# KiCad board panel-74pad-70pin-mezzanine.kicad_pcb (continued)
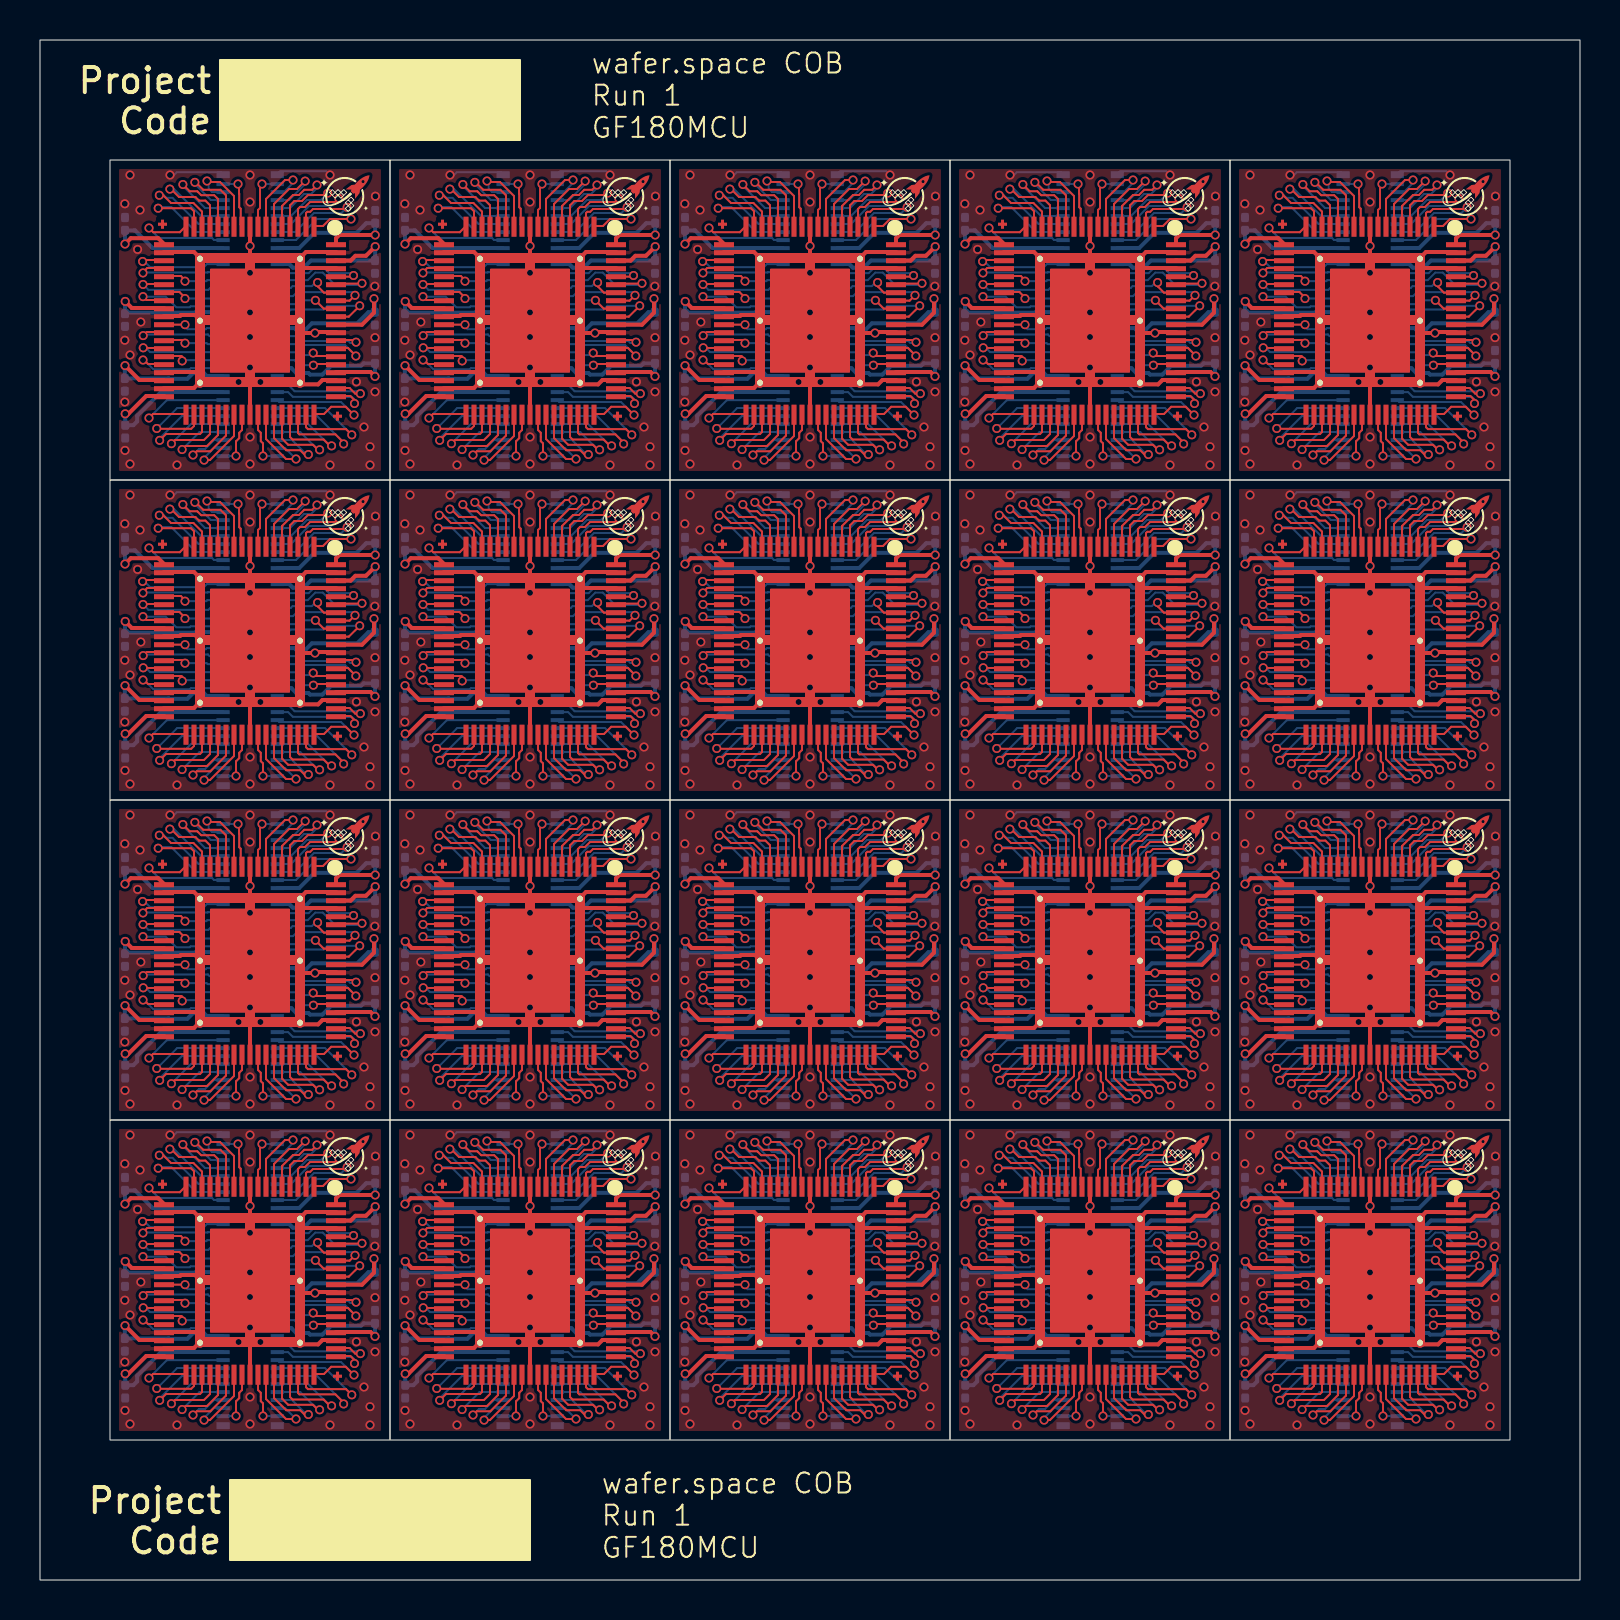
[diagram p0: board, top side]
## Routing (per net, layer and track width the routed paths; a pad name or vN(x,y) marks a point on that pad's centre or on a via; arc(x,y) is an arc through that point) (continued)
  Bottom w0.1: v1(70.39,37.34) 70.05,37 69.35,37 68.55,36.2 67.86,36.2 ; 25.85,68.2 26.55,68.2 27.35,69 28.05,69 v1(28.39,69.34) ; v1(14.39,37.34) 14.05,37 13.35,37 12.55,36.2 11.85,36.2 ; v1(56.39,69.34) 56.05,69 55.35,69 54.55,68.2 53.85,68.2 ; 39.85,68.2 40.55,68.2 41.35,69 42.05,69 v1(42.39,69.34) ; 53.85,36.2 54.55,36.2 55.35,37 56.05,37 v1(56.39,37.34) ; 53.85,52.2 54.55,52.2 55.35,53 56.05,53 v1(56.39,53.34) ; v1(14.39,53.34) 14.05,53 13.35,53 12.55,52.2 11.85,52.2 ; 25.85,36.2 26.55,36.2 27.35,37 28.05,37 v1(28.39,37.34) ; v1(42.39,21.34) 42.05,21 41.35,21 40.55,20.2 39.85,20.2 ; 39.85,36.2 40.55,36.2 41.35,37 42.05,37 v1(42.39,37.34) ; 67.86,20.2 68.55,20.2 69.35,21 70.05,21 v1(70.39,21.34) ; 67.86,52.2 68.55,52.2 69.35,53 70.05,53 v1(70.39,53.34) ; v1(42.39,53.34) 42.05,53 41.35,53 40.55,52.2 39.85,52.2 ; 67.86,68.2 68.55,68.2 69.35,69 70.05,69 v1(70.39,69.34) ; 25.85,20.2 26.55,20.2 27.35,21 28.05,21 v1(28.39,21.34) ; 25.85,52.2 26.55,52.2 27.35,53 28.05,53 v1(28.39,53.34) ; 11.85,68.2 12.55,68.2 13.35,69 14.05,69 v1(14.39,69.34) ; v1(56.39,21.34) 56.05,21 55.35,21 54.55,20.2 53.85,20.2 ; v1(14.39,21.34) 14.05,21 13.35,21 12.55,20.2 11.85,20.2
/pad_4: length 114.9
  Top w0.1: 54.1,35.7 54.1,36.7 54.65,37.25 54.95,37.25 55.21,37.51 55.61,37.51 v1(55.85,37.75) ; 68.1,67.7 68.1,68.7 68.65,69.25 68.95,69.25 69.21,69.51 69.61,69.51 v1(69.85,69.75) ; v1(55.85,69.75) 55.61,69.51 55.21,69.51 54.95,69.25 54.65,69.25 54.1,68.7 54.1,67.7 ; 12.1,19.7 12.1,20.7 12.65,21.25 12.95,21.25 13.21,21.51 13.61,21.51 v1(13.85,21.75) ; 12.1,35.7 12.1,36.7 12.65,37.25 12.95,37.25 13.21,37.51 13.61,37.51 v1(13.85,37.75) ; v1(69.85,53.75) 69.61,53.51 69.21,53.51 68.95,53.25 68.65,53.25 68.1,52.7 68.1,51.7 ; v1(27.85,69.75) 27.61,69.51 27.21,69.51 26.95,69.25 26.65,69.25 26.1,68.7 26.1,67.7 ; v1(27.85,21.75) 27.61,21.51 27.21,21.51 26.95,21.25 26.65,21.25 26.1,20.7 26.1,19.7 ; 40.1,35.7 40.1,36.7 40.65,37.25 40.95,37.25 41.21,37.51 41.61,37.51 v1(41.85,37.75) ; v1(69.85,37.75) 69.61,37.51 69.21,37.51 68.95,37.25 68.65,37.25 68.1,36.7 68.1,35.7 ; v1(69.85,21.75) 69.61,21.51 69.21,21.51 68.95,21.25 68.65,21.25 68.1,20.7 68.1,19.7 ; v1(55.85,21.75) 55.61,21.51 55.21,21.51 54.95,21.25 54.65,21.25 54.1,20.7 54.1,19.7 ; v1(55.85,53.75) 55.61,53.51 55.21,53.51 54.95,53.25 54.65,53.25 54.1,52.7 54.1,51.7 ; v1(13.85,69.75) 13.61,69.51 13.21,69.51 12.95,69.25 12.65,69.25 12.1,68.7 12.1,67.7 ; v1(41.85,21.75) 41.61,21.51 41.21,21.51 40.95,21.25 40.65,21.25 40.1,20.7 40.1,19.7 ; 26.1,35.7 26.1,36.7 26.65,37.25 26.95,37.25 27.21,37.51 27.61,37.51 v1(27.85,37.75) ; 12.1,51.7 12.1,52.7 12.65,53.25 12.95,53.25 13.21,53.51 13.61,53.51 v1(13.85,53.75) ; v1(41.85,53.75) 41.61,53.51 41.21,53.51 40.95,53.25 40.65,53.25 40.1,52.7 40.1,51.7 ; v1(41.85,69.75) 41.61,69.51 41.21,69.51 40.95,69.25 40.65,69.25 40.1,68.7 40.1,67.7 ; v1(27.85,53.75) 27.61,53.51 27.21,53.51 26.95,53.25 26.65,53.25 26.1,52.7 26.1,51.7
  Bottom w0.1: v1(69.85,21.75) 69.8,21.7 69.8,21.55 69.55,21.3 69.2,21.3 68.5,20.6 67.86,20.6 ; v1(13.85,53.75) 13.8,53.7 13.8,53.55 13.55,53.3 13.2,53.3 12.5,52.6 11.85,52.6 ; v1(13.85,37.75) 13.8,37.7 13.8,37.55 13.55,37.3 13.2,37.3 12.5,36.6 11.85,36.6 ; 11.85,68.6 12.5,68.6 13.2,69.3 13.55,69.3 13.8,69.55 13.8,69.7 v1(13.85,69.75) ; v1(41.85,69.75) 41.8,69.7 41.8,69.55 41.55,69.3 41.2,69.3 40.5,68.6 39.85,68.6 ; 39.85,52.6 40.5,52.6 41.2,53.3 41.55,53.3 41.8,53.55 41.8,53.7 v1(41.85,53.75) ; 25.85,52.6 26.5,52.6 27.2,53.3 27.55,53.3 27.8,53.55 27.8,53.7 v1(27.85,53.75) ; v1(27.85,21.75) 27.8,21.7 27.8,21.55 27.55,21.3 27.2,21.3 26.5,20.6 25.85,20.6 ; v1(55.85,21.75) 55.8,21.7 55.8,21.55 55.55,21.3 55.2,21.3 54.5,20.6 53.85,20.6 ; 25.85,36.6 26.5,36.6 27.2,37.3 27.55,37.3 27.8,37.55 27.8,37.7 v1(27.85,37.75) ; 25.85,68.6 26.5,68.6 27.2,69.3 27.55,69.3 27.8,69.55 27.8,69.7 v1(27.85,69.75) ; 39.85,36.6 40.5,36.6 41.2,37.3 41.55,37.3 41.8,37.55 41.8,37.7 v1(41.85,37.75) ; 53.85,52.6 54.5,52.6 55.2,53.3 55.55,53.3 55.8,53.55 55.8,53.7 v1(55.85,53.75) ; v1(41.85,21.75) 41.8,21.7 41.8,21.55 41.55,21.3 41.2,21.3 40.5,20.6 39.85,20.6 ; v1(55.85,69.75) 55.8,69.7 55.8,69.55 55.55,69.3 55.2,69.3 54.5,68.6 53.85,68.6 ; 67.86,52.6 68.5,52.6 69.2,53.3 69.55,53.3 69.8,53.55 69.8,53.7 v1(69.85,53.75) ; 11.85,20.6 12.5,20.6 13.2,21.3 13.55,21.3 13.8,21.55 13.8,21.7 v1(13.85,21.75) ; v1(69.85,37.75) 69.8,37.7 69.8,37.55 69.55,37.3 69.2,37.3 68.5,36.6 67.86,36.6 ; v1(55.85,37.75) 55.8,37.7 55.8,37.55 55.55,37.3 55.2,37.3 54.5,36.6 53.85,36.6 ; 67.86,68.6 68.5,68.6 69.2,69.3 69.55,69.3 69.8,69.55 69.8,69.7 v1(69.85,69.75)
/pad_5: length 100.2
  Top w0.1: 53.7,51.7 53.7,52.8 54.45,53.55 54.85,53.55 55.24,53.94 v1(55.26,53.94) ; 11.7,19.7 11.7,20.8 12.45,21.55 12.85,21.55 13.24,21.94 v1(13.26,21.94) ; 39.7,19.7 39.7,20.8 40.45,21.55 40.85,21.55 41.24,21.94 v1(41.26,21.94) ; 53.7,19.7 53.7,20.8 54.45,21.55 54.85,21.55 55.24,21.94 v1(55.26,21.94) ; 11.7,51.7 11.7,52.8 12.45,53.55 12.85,53.55 13.24,53.94 v1(13.26,53.94) ; v1(55.26,69.94) 55.24,69.94 54.85,69.55 54.45,69.55 53.7,68.8 53.7,67.7 ; 11.7,35.7 11.7,36.8 12.45,37.55 12.85,37.55 13.24,37.94 v1(13.26,37.94) ; v1(13.26,69.94) 13.24,69.94 12.85,69.55 12.45,69.55 11.7,68.8 11.7,67.7 ; 53.7,35.7 53.7,36.8 54.45,37.55 54.85,37.55 55.24,37.94 v1(55.26,37.94) ; 67.7,67.7 67.7,68.8 68.45,69.55 68.85,69.55 69.24,69.94 v1(69.26,69.94) ; 25.7,19.7 25.7,20.8 26.45,21.55 26.85,21.55 27.24,21.94 v1(27.26,21.94) ; 39.7,67.7 39.7,68.8 40.45,69.55 40.85,69.55 41.24,69.94 v1(41.26,69.94) ; 25.7,51.7 25.7,52.8 26.45,53.55 26.85,53.55 27.24,53.94 v1(27.26,53.94) ; 39.7,35.7 39.7,36.8 40.45,37.55 40.85,37.55 41.24,37.94 v1(41.26,37.94) ; v1(69.26,37.94) 69.24,37.94 68.85,37.55 68.45,37.55 67.7,36.8 67.7,35.7 ; 67.7,19.7 67.7,20.8 68.45,21.55 68.85,21.55 69.24,21.94 v1(69.26,21.94) ; v1(69.26,53.94) 69.24,53.94 68.85,53.55 68.45,53.55 67.7,52.8 67.7,51.7 ; 25.7,35.7 25.7,36.8 26.45,37.55 26.85,37.55 27.24,37.94 v1(27.26,37.94) ; 39.7,51.7 39.7,52.8 40.45,53.55 40.85,53.55 41.24,53.94 v1(41.26,53.94) ; 25.7,67.7 25.7,68.8 26.45,69.55 26.85,69.55 27.24,69.94 v1(27.26,69.94)
  Bottom w0.1: 11.85,69 12.46,69 13.26,69.8 v1(13.26,69.94) ; 67.86,37 68.46,37 69.26,37.8 v1(69.26,37.94) ; v1(55.26,37.94) 55.26,37.8 54.46,37 53.85,37 ; v1(41.26,69.94) 41.26,69.8 40.46,69 39.85,69 ; v1(27.26,21.94) 27.26,21.8 26.46,21 25.85,21 ; v1(27.26,69.94) 27.26,69.8 26.46,69 25.85,69 ; 11.85,37 12.46,37 13.26,37.8 v1(13.26,37.94) ; v1(27.26,37.94) 27.26,37.8 26.46,37 25.85,37 ; 53.85,53 54.46,53 55.26,53.8 v1(55.26,53.94) ; 67.86,69 68.46,69 69.26,69.8 v1(69.26,69.94) ; v1(55.26,21.94) 55.26,21.8 54.46,21 53.85,21 ; 67.86,53 68.46,53 69.26,53.8 v1(69.26,53.94) ; 11.85,53 12.46,53 13.26,53.8 v1(13.26,53.94) ; 11.85,21 12.46,21 13.26,21.8 v1(13.26,21.94) ; v1(41.26,21.94) 41.26,21.8 40.46,21 39.85,21 ; v1(55.26,69.94) 55.26,69.8 54.46,69 53.85,69 ; 39.85,37 40.46,37 41.26,37.8 v1(41.26,37.94) ; 39.85,53 40.46,53 41.26,53.8 v1(41.26,53.94) ; v1(69.26,21.94) 69.26,21.8 68.46,21 67.86,21 ; 25.85,53 26.46,53 27.26,53.8 v1(27.26,53.94)
/pad_6: length 84.5
  Top w0.1: 39.3,35.7 39.3,37.05 40.25,38 v1(40.65,38) ; 11.3,35.7 11.3,37.05 12.25,38 v1(12.65,38) ; 67.3,51.7 67.3,53.05 68.25,54 v1(68.65,54) ; 67.3,19.7 67.3,21.05 68.25,22 v1(68.65,22) ; 39.3,51.7 39.3,53.05 40.25,54 v1(40.65,54) ; 25.3,35.7 25.3,37.05 26.25,38 v1(26.65,38) ; v1(26.65,54) 26.25,54 25.3,53.05 25.3,51.7 ; v1(54.65,70) 54.25,70 53.3,69.05 53.3,67.7 ; v1(54.65,54) 54.25,54 53.3,53.05 53.3,51.7 ; v1(68.65,38) 68.25,38 67.3,37.05 67.3,35.7 ; 39.3,67.7 39.3,69.05 40.25,70 v1(40.65,70) ; v1(54.65,38) 54.25,38 53.3,37.05 53.3,35.7 ; 25.3,67.7 25.3,69.05 26.25,70 v1(26.65,70) ; 11.3,51.7 11.3,53.05 12.25,54 v1(12.65,54) ; 11.3,67.7 11.3,69.05 12.25,70 v1(12.65,70) ; v1(26.65,22) 26.25,22 25.3,21.05 25.3,19.7 ; 11.3,19.7 11.3,21.05 12.25,22 v1(12.65,22) ; v1(54.65,22) 54.25,22 53.3,21.05 53.3,19.7 ; v1(68.65,70) 68.25,70 67.3,69.05 67.3,67.7 ; 39.3,19.7 39.3,21.05 40.25,22 v1(40.65,22)
  Bottom w0.1: v1(68.65,54) 68.65,53.85 68.2,53.4 67.86,53.4 ; 11.85,21.4 12.2,21.4 12.65,21.85 v1(12.65,22) ; 67.86,21.4 68.2,21.4 68.65,21.85 v1(68.65,22) ; 11.85,53.4 12.2,53.4 12.65,53.85 v1(12.65,54) ; 25.85,69.4 26.2,69.4 26.65,69.85 v1(26.65,70) ; 53.85,37.4 54.2,37.4 54.65,37.85 v1(54.65,38) ; 39.85,69.4 40.2,69.4 40.65,69.85 v1(40.65,70) ; v1(40.65,38) 40.65,37.85 40.2,37.4 39.85,37.4 ; v1(68.65,38) 68.65,37.85 68.2,37.4 67.86,37.4 ; v1(40.65,54) 40.65,53.85 40.2,53.4 39.85,53.4 ; v1(12.65,38) 12.65,37.85 12.2,37.4 11.85,37.4 ; 53.85,69.4 54.2,69.4 54.65,69.85 v1(54.65,70) ; v1(12.65,70) 12.65,69.85 12.2,69.4 11.85,69.4 ; 25.85,37.4 26.2,37.4 26.65,37.85 v1(26.65,38) ; 53.85,53.4 54.2,53.4 54.65,53.85 v1(54.65,54) ; v1(54.65,22) 54.65,21.85 54.2,21.4 53.85,21.4 ; 67.86,69.4 68.2,69.4 68.65,69.85 v1(68.65,70) ; v1(26.65,54) 26.65,53.85 26.2,53.4 25.85,53.4 ; 25.85,21.4 26.2,21.4 26.65,21.85 v1(26.65,22) ; v1(40.65,22) 40.65,21.85 40.2,21.4 39.85,21.4
/pad_7: length 58.8
  Top w0.1: 52.9,51.7 52.9,52.5 53,52.6 53,53.7 v1(53.1,53.8) ; v1(67.1,69.8) 67,69.7 67,68.6 66.9,68.5 66.9,67.7 ; 10.9,51.7 10.9,52.5 11,52.6 11,53.7 v1(11.1,53.8) ; 10.9,67.7 10.9,68.5 11,68.6 11,69.7 v1(11.1,69.8) ; v1(25.1,21.8) 25,21.7 25,20.6 24.9,20.5 24.9,19.7 ; v1(53.1,37.8) 53,37.7 53,36.6 52.9,36.5 52.9,35.7 ; v1(39.1,37.8) 39,37.7 39,36.6 38.9,36.5 38.9,35.7 ; v1(39.1,53.8) 39,53.7 39,52.6 38.9,52.5 38.9,51.7 ; 52.9,19.7 52.9,20.5 53,20.6 53,21.7 v1(53.1,21.8) ; 24.9,51.7 24.9,52.5 25,52.6 25,53.7 v1(25.1,53.8) ; v1(25.1,37.8) 25,37.7 25,36.6 24.9,36.5 24.9,35.7 ; 10.9,35.7 10.9,36.5 11,36.6 11,37.7 v1(11.1,37.8) ; v1(67.1,37.8) 67,37.7 67,36.6 66.9,36.5 66.9,35.7 ; v1(67.1,21.8) 67,21.7 67,20.6 66.9,20.5 66.9,19.7 ; v1(67.1,53.8) 67,53.7 67,52.6 66.9,52.5 66.9,51.7 ; 10.9,19.7 10.9,20.5 11,20.6 11,21.7 v1(11.1,21.8) ; v1(25.1,69.8) 25,69.7 25,68.6 24.9,68.5 24.9,67.7 ; v1(39.1,69.8) 39,69.7 39,68.6 38.9,68.5 38.9,67.7 ; 52.9,67.7 52.9,68.5 53,68.6 53,69.7 v1(53.1,69.8) ; v1(39.1,21.8) 39,21.7 39,20.6 38.9,20.5 38.9,19.7
  Bottom w0.1: v1(25.1,21.8) 25.85,21.8 ; v1(25.1,69.8) 25.85,69.8 ; v1(67.1,53.8) 67.86,53.8 ; v1(53.1,69.8) 53.85,69.8 ; v1(39.1,53.8) 39.85,53.8 ; v1(53.1,53.8) 53.85,53.8 ; v1(67.1,69.8) 67.86,69.8 ; v1(67.1,21.8) 67.86,21.8 ; v1(11.1,53.8) 11.85,53.8 ; v1(11.1,21.8) 11.85,21.8 ; v1(39.1,21.8) 39.85,21.8 ; v1(25.1,37.8) 25.85,37.8 ; v1(39.1,69.8) 39.85,69.8 ; v1(25.1,53.8) 25.85,53.8 ; v1(39.1,37.8) 39.85,37.8 ; v1(53.1,21.8) 53.85,21.8 ; v1(67.1,37.8) 67.86,37.8 ; v1(53.1,37.8) 53.85,37.8 ; v1(11.1,37.8) 11.85,37.8 ; v1(11.1,69.8) 11.85,69.8
/pad_9: length 58.8
  Top w0.1: 10.1,35.7 10.04,35.76 10.04,36.56 9.96,36.64 9.96,37.31 9.95,37.32 9.95,37.65 9.9,37.7 v1(9.9,37.8) ; v1(51.9,21.8) 51.9,21.7 51.95,21.65 51.95,21.32 51.96,21.31 51.96,20.64 52.04,20.56 52.04,19.76 52.1,19.7 ; 38.1,35.7 38.04,35.76 38.04,36.56 37.96,36.64 37.96,37.31 37.95,37.32 37.95,37.65 37.9,37.7 v1(37.9,37.8) ; v1(9.9,69.8) 9.9,69.7 9.95,69.65 9.95,69.32 9.96,69.31 9.96,68.64 10.04,68.56 10.04,67.76 10.1,67.7 ; v1(23.9,37.8) 23.9,37.7 23.95,37.65 23.95,37.32 23.96,37.31 23.96,36.64 24.04,36.56 24.04,35.76 24.1,35.7 ; 24.1,67.7 24.04,67.76 24.04,68.56 23.96,68.64 23.96,69.31 23.95,69.32 23.95,69.65 23.9,69.7 v1(23.9,69.8) ; v1(37.9,21.8) 37.9,21.7 37.95,21.65 37.95,21.32 37.96,21.31 37.96,20.64 38.04,20.56 38.04,19.76 38.1,19.7 ; 24.1,19.7 24.04,19.76 24.04,20.56 23.96,20.64 23.96,21.31 23.95,21.32 23.95,21.65 23.9,21.7 v1(23.9,21.8) ; 24.1,51.7 24.04,51.76 24.04,52.56 23.96,52.64 23.96,53.31 23.95,53.32 23.95,53.65 23.9,53.7 v1(23.9,53.8) ; v1(9.9,53.8) 9.9,53.7 9.95,53.65 9.95,53.32 9.96,53.31 9.96,52.64 10.04,52.56 10.04,51.76 10.1,51.7 ; v1(65.9,21.8) 65.9,21.7 65.95,21.65 65.95,21.32 65.96,21.31 65.96,20.64 66.04,20.56 66.04,19.76 66.1,19.7 ; 66.1,35.7 66.04,35.76 66.04,36.56 65.96,36.64 65.96,37.31 65.95,37.32 65.95,37.65 65.9,37.7 v1(65.9,37.8) ; 66.1,51.7 66.04,51.76 66.04,52.56 65.96,52.64 65.96,53.31 65.95,53.32 65.95,53.65 65.9,53.7 v1(65.9,53.8) ; 10.1,19.7 10.04,19.76 10.04,20.56 9.96,20.64 9.96,21.31 9.95,21.32 9.95,21.65 9.9,21.7 v1(9.9,21.8) ; 66.1,67.7 66.04,67.76 66.04,68.56 65.96,68.64 65.96,69.31 65.95,69.32 65.95,69.65 65.9,69.7 v1(65.9,69.8) ; v1(51.9,53.8) 51.9,53.7 51.95,53.65 51.95,53.32 51.96,53.31 51.96,52.64 52.04,52.56 52.04,51.76 52.1,51.7 ; v1(51.9,69.8) 51.9,69.7 51.95,69.65 51.95,69.32 51.96,69.31 51.96,68.64 52.04,68.56 52.04,67.76 52.1,67.7 ; v1(37.9,69.8) 37.9,69.7 37.95,69.65 37.95,69.32 37.96,69.31 37.96,68.64 38.04,68.56 38.04,67.76 38.1,67.7 ; 38.1,51.7 38.04,51.76 38.04,52.56 37.96,52.64 37.96,53.31 37.95,53.32 37.95,53.65 37.9,53.7 v1(37.9,53.8) ; 52.1,35.7 52.04,35.76 52.04,36.56 51.96,36.64 51.96,37.31 51.95,37.32 51.95,37.65 51.9,37.7 v1(51.9,37.8)
  Bottom w0.1: v1(9.9,53.8) 9.15,53.8 ; v1(9.9,37.8) 9.15,37.8 ; v1(37.9,69.8) 37.15,69.8 ; v1(37.9,21.8) 37.15,21.8 ; v1(37.9,53.8) 37.15,53.8 ; v1(9.9,69.8) 9.15,69.8 ; v1(51.9,37.8) 51.15,37.8 ; v1(23.9,53.8) 23.15,53.8 ; v1(51.9,69.8) 51.15,69.8 ; v1(65.9,37.8) 65.15,37.8 ; v1(51.9,53.8) 51.15,53.8 ; v1(23.9,21.8) 23.15,21.8 ; v1(65.9,53.8) 65.15,53.8 ; v1(9.9,21.8) 9.15,21.8 ; v1(23.9,37.8) 23.15,37.8 ; v1(23.9,69.8) 23.15,69.8 ; v1(37.9,37.8) 37.15,37.8 ; v1(51.9,21.8) 51.15,21.8 ; v1(65.9,69.8) 65.15,69.8 ; v1(65.9,21.8) 65.15,21.8
/pad_10: length 87.7
  Top w0.1: v1(36.35,37.95) 36.4,37.9 37,37.9 37.7,37.2 37.7,35.7 ; 65.7,67.7 65.7,69.2 65,69.9 64.4,69.9 v1(64.35,69.95) ; v1(22.35,53.95) 22.4,53.9 23,53.9 23.7,53.2 23.7,51.7 ; 51.7,19.7 51.7,21.2 51,21.9 50.4,21.9 v1(50.35,21.95) ; v1(64.35,37.95) 64.4,37.9 65,37.9 65.7,37.2 65.7,35.7 ; 65.7,51.7 65.7,53.2 65,53.9 64.4,53.9 v1(64.35,53.95) ; v1(36.35,53.95) 36.4,53.9 37,53.9 37.7,53.2 37.7,51.7 ; v1(8.35,37.95) 8.4,37.9 9,37.9 9.7,37.2 9.7,35.7 ; 51.7,35.7 51.7,37.2 51,37.9 50.4,37.9 v1(50.35,37.95) ; v1(64.35,21.95) 64.4,21.9 65,21.9 65.7,21.2 65.7,19.7 ; 51.7,67.7 51.7,69.2 51,69.9 50.4,69.9 v1(50.35,69.95) ; v1(8.35,53.95) 8.4,53.9 9,53.9 9.7,53.2 9.7,51.7 ; v1(36.35,21.95) 36.4,21.9 37,21.9 37.7,21.2 37.7,19.7 ; v1(22.35,37.95) 22.4,37.9 23,37.9 23.7,37.2 23.7,35.7 ; 37.7,67.7 37.7,69.2 37,69.9 36.4,69.9 v1(36.35,69.95) ; v1(22.35,21.95) 22.4,21.9 23,21.9 23.7,21.2 23.7,19.7 ; 51.7,51.7 51.7,53.2 51,53.9 50.4,53.9 v1(50.35,53.95) ; v1(22.35,69.95) 22.4,69.9 23,69.9 23.7,69.2 23.7,67.7 ; v1(8.35,69.95) 8.4,69.9 9,69.9 9.7,69.2 9.7,67.7 ; 9.7,19.7 9.7,21.2 9,21.9 8.4,21.9 v1(8.35,21.95)
  Bottom w0.1: v1(50.35,37.95) 50.4,37.95 50.43,37.92 50.43,37.57 50.6,37.4 51.15,37.4 ; 65.15,53.4 64.6,53.4 64.43,53.57 64.43,53.92 64.4,53.95 v1(64.35,53.95) ; v1(50.35,69.95) 50.4,69.95 50.43,69.92 50.43,69.57 50.6,69.4 51.15,69.4 ; 23.15,21.4 22.6,21.4 22.43,21.57 22.43,21.92 22.4,21.95 v1(22.35,21.95) ; 9.15,53.4 8.6,53.4 8.43,53.57 8.43,53.92 8.4,53.95 v1(8.35,53.95) ; v1(22.35,69.95) 22.4,69.95 22.43,69.92 22.43,69.57 22.6,69.4 23.15,69.4 ; v1(64.35,21.95) 64.4,21.95 64.43,21.92 64.43,21.57 64.6,21.4 65.15,21.4 ; 9.15,37.4 8.6,37.4 8.43,37.57 8.43,37.92 8.4,37.95 v1(8.35,37.95) ; v1(64.35,37.95) 64.4,37.95 64.43,37.92 64.43,37.57 64.6,37.4 65.15,37.4 ; 51.15,21.4 50.6,21.4 50.43,21.57 50.43,21.92 50.4,21.95 v1(50.35,21.95) ; v1(36.35,53.95) 36.4,53.95 36.43,53.92 36.43,53.57 36.6,53.4 37.15,53.4 ; 23.15,53.4 22.6,53.4 22.43,53.57 22.43,53.92 22.4,53.95 v1(22.35,53.95) ; 23.15,37.4 22.6,37.4 22.43,37.57 22.43,37.92 22.4,37.95 v1(22.35,37.95) ; 9.15,69.4 8.6,69.4 8.43,69.57 8.43,69.92 8.4,69.95 v1(8.35,69.95) ; v1(8.35,21.95) 8.4,21.95 8.43,21.92 8.43,21.57 8.6,21.4 9.15,21.4 ; 37.15,37.4 36.6,37.4 36.43,37.57 36.43,37.92 36.4,37.95 v1(36.35,37.95) ; v1(36.35,69.95) 36.4,69.95 36.43,69.92 36.43,69.57 36.6,69.4 37.15,69.4 ; 37.15,21.4 36.6,21.4 36.43,21.57 36.43,21.92 36.4,21.95 v1(36.35,21.95) ; v1(50.35,53.95) 50.4,53.95 50.43,53.92 50.43,53.57 50.6,53.4 51.15,53.4 ; 65.15,69.4 64.6,69.4 64.43,69.57 64.43,69.92 64.4,69.95 v1(64.35,69.95)
/pad_11: length 105.4
  Top w0.1: v1(63.74,37.88) 63.7,37.83 63.84,37.83 64.16,37.51 65.02,37.51 65.3,37.23 65.3,35.7 ; v1(21.74,37.88) 21.7,37.83 21.84,37.83 22.16,37.51 23.02,37.51 23.3,37.23 23.3,35.7 ; 23.3,67.7 23.3,69.23 23.02,69.51 22.16,69.51 21.84,69.83 21.7,69.83 v1(21.74,69.88) ; v1(21.74,53.88) 21.7,53.83 21.84,53.83 22.16,53.51 23.02,53.51 23.3,53.23 23.3,51.7 ; v1(35.74,37.88) 35.7,37.83 35.84,37.83 36.16,37.51 37.02,37.51 37.3,37.23 37.3,35.7 ; v1(7.74,21.88) 7.7,21.83 7.84,21.83 8.16,21.51 9.02,21.51 9.3,21.23 9.3,19.7 ; 51.3,51.7 51.3,53.23 51.02,53.51 50.16,53.51 49.84,53.83 49.7,53.83 v1(49.74,53.88) ; 65.3,67.7 65.3,69.23 65.02,69.51 64.16,69.51 63.84,69.83 63.7,69.83 v1(63.74,69.88) ; 51.3,67.7 51.3,69.23 51.02,69.51 50.16,69.51 49.84,69.83 49.7,69.83 v1(49.74,69.88) ; 9.3,51.7 9.3,53.23 9.02,53.51 8.16,53.51 7.84,53.83 7.7,53.83 v1(7.74,53.88) ; 65.3,19.7 65.3,21.23 65.02,21.51 64.16,21.51 63.84,21.83 63.7,21.83 v1(63.74,21.88) ; v1(7.74,69.88) 7.7,69.83 7.84,69.83 8.16,69.51 9.02,69.51 9.3,69.23 9.3,67.7 ; 9.3,35.7 9.3,37.23 9.02,37.51 8.16,37.51 7.84,37.83 7.7,37.83 v1(7.74,37.88) ; v1(35.74,69.88) 35.7,69.83 35.84,69.83 36.16,69.51 37.02,69.51 37.3,69.23 37.3,67.7 ; v1(49.74,37.88) 49.7,37.83 49.84,37.83 50.16,37.51 51.02,37.51 51.3,37.23 51.3,35.7 ; v1(21.74,21.88) 21.7,21.83 21.84,21.83 22.16,21.51 23.02,21.51 23.3,21.23 23.3,19.7 ; v1(49.74,21.88) 49.7,21.83 49.84,21.83 50.16,21.51 51.02,21.51 51.3,21.23 51.3,19.7 ; v1(35.74,21.88) 35.7,21.83 35.84,21.83 36.16,21.51 37.02,21.51 37.3,21.23 37.3,19.7 ; v1(35.74,53.88) 35.7,53.83 35.84,53.83 36.16,53.51 37.02,53.51 37.3,53.23 37.3,51.7 ; v1(63.74,53.88) 63.7,53.83 63.84,53.83 64.16,53.51 65.02,53.51 65.3,53.23 65.3,51.7
  Bottom w0.1: 23.15,69 22.54,69 21.74,69.8 v1(21.74,69.88) ; 37.15,37 36.54,37 35.74,37.8 v1(35.74,37.88) ; 23.15,37 22.54,37 21.74,37.8 v1(21.74,37.88) ; v1(63.74,37.88) 63.74,37.8 64.54,37 65.15,37 ; v1(7.74,21.88) 7.74,21.8 8.54,21 9.15,21 ; v1(49.74,69.88) 49.74,69.8 50.54,69 51.15,69 ; 9.15,53 8.54,53 7.74,53.8 v1(7.74,53.88) ; v1(35.74,21.88) 35.74,21.8 36.54,21 37.15,21 ; v1(49.74,21.88) 49.74,21.8 50.54,21 51.15,21 ; 65.15,21 64.54,21 63.74,21.8 v1(63.74,21.88) ; v1(35.74,69.88) 35.74,69.8 36.54,69 37.15,69 ; 37.15,53 36.54,53 35.74,53.8 v1(35.74,53.88) ; 51.15,53 50.54,53 49.74,53.8 v1(49.74,53.88) ; 9.15,37 8.54,37 7.74,37.8 v1(7.74,37.88) ; v1(21.74,21.88) 21.74,21.8 22.54,21 23.15,21 ; v1(7.74,69.88) 7.74,69.8 8.54,69 9.15,69 ; 65.15,69 64.54,69 63.74,69.8 v1(63.74,69.88) ; 51.15,37 50.54,37 49.74,37.8 v1(49.74,37.88) ; 65.15,53 64.54,53 63.74,53.8 v1(63.74,53.88) ; 23.15,53 22.54,53 21.74,53.8 v1(21.74,53.88)
/pad_12: length 118.7
  Top w0.1: 36.9,35.7 36.9,37.05 36.71,37.24 36.07,37.24 36.06,37.25 36.05,37.25 35.86,37.44 35.48,37.44 v1(35.14,37.78) ; v1(7.14,21.78) 7.48,21.44 7.86,21.44 8.05,21.25 8.06,21.25 8.07,21.24 8.71,21.24 8.9,21.05 8.9,19.7 ; 64.9,35.7 64.9,37.05 64.71,37.24 64.07,37.24 64.06,37.25 64.05,37.25 63.86,37.44 63.48,37.44 v1(63.14,37.78) ; 36.9,51.7 36.9,53.05 36.71,53.24 36.07,53.24 36.06,53.25 36.05,53.25 35.86,53.44 35.48,53.44 v1(35.14,53.78) ; 64.9,19.7 64.9,21.05 64.71,21.24 64.07,21.24 64.06,21.25 64.05,21.25 63.86,21.44 63.48,21.44 v1(63.14,21.78) ; v1(49.14,37.78) 49.48,37.44 49.86,37.44 50.05,37.25 50.06,37.25 50.07,37.24 50.71,37.24 50.9,37.05 50.9,35.7 ; 64.9,51.7 64.9,53.05 64.71,53.24 64.07,53.24 64.06,53.25 64.05,53.25 63.86,53.44 63.48,53.44 v1(63.14,53.78) ; v1(49.14,21.78) 49.48,21.44 49.86,21.44 50.05,21.25 50.06,21.25 50.07,21.24 50.71,21.24 50.9,21.05 50.9,19.7 ; v1(21.14,69.78) 21.48,69.44 21.86,69.44 22.05,69.25 22.06,69.25 22.07,69.24 22.71,69.24 22.9,69.05 22.9,67.7 ; v1(35.14,69.78) 35.48,69.44 35.86,69.44 36.05,69.25 36.06,69.25 36.07,69.24 36.71,69.24 36.9,69.05 36.9,67.7 ; v1(49.14,69.78) 49.48,69.44 49.86,69.44 50.05,69.25 50.06,69.25 50.07,69.24 50.71,69.24 50.9,69.05 50.9,67.7 ; 50.9,51.7 50.9,53.05 50.71,53.24 50.07,53.24 50.06,53.25 50.05,53.25 49.86,53.44 49.48,53.44 v1(49.14,53.78) ; 64.9,67.7 64.9,69.05 64.71,69.24 64.07,69.24 64.06,69.25 64.05,69.25 63.86,69.44 63.48,69.44 v1(63.14,69.78) ; 36.9,19.7 36.9,21.05 36.71,21.24 36.07,21.24 36.06,21.25 36.05,21.25 35.86,21.44 35.48,21.44 v1(35.14,21.78) ; 8.9,51.7 8.9,53.05 8.71,53.24 8.07,53.24 8.06,53.25 8.05,53.25 7.86,53.44 7.48,53.44 v1(7.14,53.78) ; 22.9,19.7 22.9,21.05 22.71,21.24 22.07,21.24 22.06,21.25 22.05,21.25 21.86,21.44 21.48,21.44 v1(21.14,21.78) ; 22.9,35.7 22.9,37.05 22.71,37.24 22.07,37.24 22.06,37.25 22.05,37.25 21.86,37.44 21.48,37.44 v1(21.14,37.78) ; 8.9,35.7 8.9,37.05 8.71,37.24 8.07,37.24 8.06,37.25 8.05,37.25 7.86,37.44 7.48,37.44 v1(7.14,37.78) ; v1(21.14,53.78) 21.48,53.44 21.86,53.44 22.05,53.25 22.06,53.25 22.07,53.24 22.71,53.24 22.9,53.05 22.9,51.7 ; v1(7.14,69.78) 7.48,69.44 7.86,69.44 8.05,69.25 8.06,69.25 8.07,69.24 8.71,69.24 8.9,69.05 8.9,67.7
  Bottom w0.1: 65.15,20.6 64.25,20.6 63.14,21.71 v1(63.14,21.78) ; 9.15,20.6 8.25,20.6 7.14,21.71 v1(7.14,21.78) ; 51.15,68.6 50.25,68.6 49.14,69.71 v1(49.14,69.78) ; v1(21.14,21.78) 21.14,21.71 22.25,20.6 23.15,20.6 ; v1(21.14,37.78) 21.14,37.71 22.25,36.6 23.15,36.6 ; v1(49.14,37.78) 49.14,37.71 50.25,36.6 51.15,36.6 ; 9.15,68.6 8.25,68.6 7.14,69.71 v1(7.14,69.78) ; v1(63.14,53.78) 63.14,53.71 64.25,52.6 65.15,52.6 ; v1(35.14,69.78) 35.14,69.71 36.25,68.6 37.15,68.6 ; 51.15,52.6 50.25,52.6 49.14,53.71 v1(49.14,53.78) ; v1(63.14,69.78) 63.14,69.71 64.25,68.6 65.15,68.6 ; v1(7.14,53.78) 7.14,53.71 8.25,52.6 9.15,52.6 ; v1(35.14,21.78) 35.14,21.71 36.25,20.6 37.15,20.6 ; 51.15,20.6 50.25,20.6 49.14,21.71 v1(49.14,21.78) ; v1(35.14,37.78) 35.14,37.71 36.25,36.6 37.15,36.6 ; v1(63.14,37.78) 63.14,37.71 64.25,36.6 65.15,36.6 ; 23.15,68.6 22.25,68.6 21.14,69.71 v1(21.14,69.78) ; v1(21.14,53.78) 21.14,53.71 22.25,52.6 23.15,52.6 ; v1(7.14,37.78) 7.14,37.71 8.25,36.6 9.15,36.6 ; v1(35.14,53.78) 35.14,53.71 36.25,52.6 37.15,52.6
/pad_13: length 131.8
  Top w0.1: 50.5,67.7 50.5,68.74 50.27,68.97 49.95,68.97 49.77,69.15 48.95,69.15 48.56,69.54 v1(48.49,69.54) ; 22.5,67.7 22.5,68.74 22.27,68.97 21.95,68.97 21.77,69.15 20.95,69.15 20.56,69.54 v1(20.49,69.54) ; 64.5,19.7 64.5,20.74 64.27,20.97 63.95,20.97 63.77,21.15 62.95,21.15 62.56,21.54 v1(62.49,21.54) ; v1(62.49,37.54) 62.56,37.54 62.95,37.15 63.77,37.15 63.95,36.97 64.27,36.97 64.5,36.74 64.5,35.7 ; 8.5,67.7 8.5,68.74 8.27,68.97 7.95,68.97 7.77,69.15 6.95,69.15 6.56,69.54 v1(6.49,69.54) ; 36.5,51.7 36.5,52.74 36.27,52.97 35.95,52.97 35.77,53.15 34.95,53.15 34.56,53.54 v1(34.49,53.54) ; v1(34.49,21.54) 34.56,21.54 34.95,21.15 35.77,21.15 35.95,20.97 36.27,20.97 36.5,20.74 36.5,19.7 ; v1(6.49,37.54) 6.56,37.54 6.95,37.15 7.77,37.15 7.95,36.97 8.27,36.97 8.5,36.74 8.5,35.7 ; v1(48.49,37.54) 48.56,37.54 48.95,37.15 49.77,37.15 49.95,36.97 50.27,36.97 50.5,36.74 50.5,35.7 ; 22.5,35.7 22.5,36.74 22.27,36.97 21.95,36.97 21.77,37.15 20.95,37.15 20.56,37.54 v1(20.49,37.54) ; 8.5,19.7 8.5,20.74 8.27,20.97 7.95,20.97 7.77,21.15 6.95,21.15 6.56,21.54 v1(6.49,21.54) ; v1(62.49,69.54) 62.56,69.54 62.95,69.15 63.77,69.15 63.95,68.97 64.27,68.97 64.5,68.74 64.5,67.7 ; v1(20.49,53.54) 20.56,53.54 20.95,53.15 21.77,53.15 21.95,52.97 22.27,52.97 22.5,52.74 22.5,51.7 ; v1(34.49,69.54) 34.56,69.54 34.95,69.15 35.77,69.15 35.95,68.97 36.27,68.97 36.5,68.74 36.5,67.7 ; 36.5,35.7 36.5,36.74 36.27,36.97 35.95,36.97 35.77,37.15 34.95,37.15 34.56,37.54 v1(34.49,37.54) ; 50.5,19.7 50.5,20.74 50.27,20.97 49.95,20.97 49.77,21.15 48.95,21.15 48.56,21.54 v1(48.49,21.54) ; v1(62.49,53.54) 62.56,53.54 62.95,53.15 63.77,53.15 63.95,52.97 64.27,52.97 64.5,52.74 64.5,51.7 ; v1(6.49,53.54) 6.56,53.54 6.95,53.15 7.77,53.15 7.95,52.97 8.27,52.97 8.5,52.74 8.5,51.7 ; 50.5,51.7 50.5,52.74 50.27,52.97 49.95,52.97 49.77,53.15 48.95,53.15 48.56,53.54 v1(48.49,53.54) ; v1(20.49,21.54) 20.56,21.54 20.95,21.15 21.77,21.15 21.95,20.97 22.27,20.97 22.5,20.74 22.5,19.7
  Bottom w0.1: 65.15,52.2 64.05,52.2 62.71,53.54 v1(62.49,53.54) ; v1(34.49,53.54) 34.71,53.54 36.05,52.2 37.15,52.2 ; 23.15,52.2 22.05,52.2 20.71,53.54 v1(20.49,53.54) ; 23.15,68.2 22.05,68.2 20.71,69.54 v1(20.49,69.54) ; v1(34.49,21.54) 34.71,21.54 36.05,20.2 37.15,20.2 ; v1(6.49,53.54) 6.71,53.54 8.05,52.2 9.15,52.2 ; v1(62.49,21.54) 62.71,21.54 64.05,20.2 65.15,20.2 ; v1(62.49,37.54) 62.71,37.54 64.05,36.2 65.15,36.2 ; v1(6.49,69.54) 6.71,69.54 8.05,68.2 9.15,68.2 ; 9.15,20.2 8.05,20.2 6.71,21.54 v1(6.49,21.54) ; v1(20.49,21.54) 20.71,21.54 22.05,20.2 23.15,20.2 ; v1(34.49,37.54) 34.71,37.54 36.05,36.2 37.15,36.2 ; v1(48.49,53.54) 48.71,53.54 50.05,52.2 51.15,52.2 ; 51.15,68.2 50.05,68.2 48.71,69.54 v1(48.49,69.54) ; v1(62.49,69.54) 62.71,69.54 64.05,68.2 65.15,68.2 ; 51.15,36.2 50.05,36.2 48.71,37.54 v1(48.49,37.54) ; v1(34.49,69.54) 34.71,69.54 36.05,68.2 37.15,68.2 ; 23.15,36.2 22.05,36.2 20.71,37.54 v1(20.49,37.54) ; v1(6.49,37.54) 6.71,37.54 8.05,36.2 9.15,36.2 ; v1(48.49,21.54) 48.71,21.54 50.05,20.2 51.15,20.2
